# KiCad board NODE_DATAPAC_256K_historical.kicad_pcb
title: NODE DATAPAC 256K REPLICA; date: 2023-08-23; company: Brian K. White b.kenyon.w@gmail.com; note: github.com/bkw777/NODE_DATAPAC
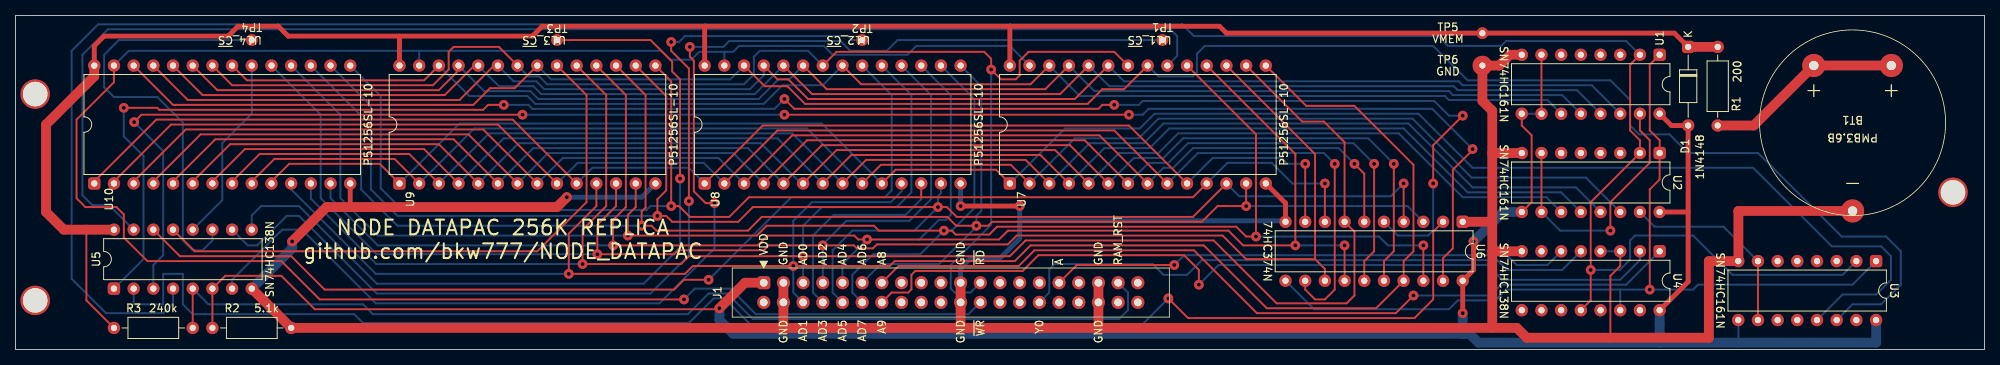
[diagram p0: board, top side]
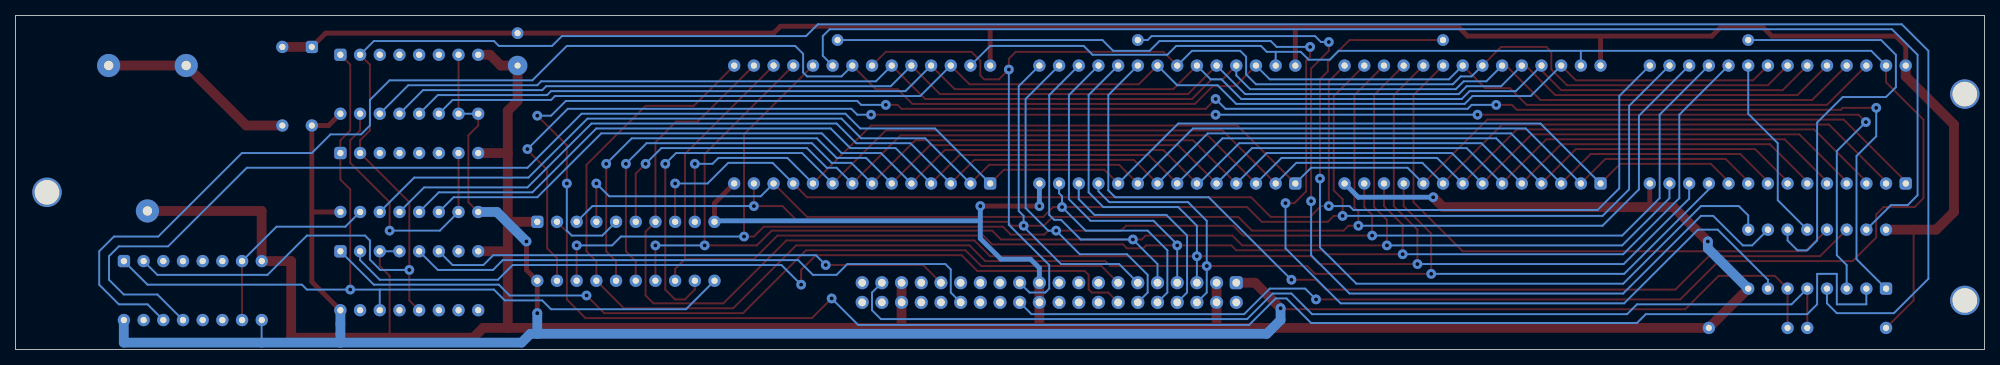
[diagram p1: board, bottom side, seen from below]

Outline 254 x 43.18 mm; copper layers: Top, Bottom. Coordinates in mm from the lower left corner of the outline.
Outline path: rectangle 0,43.18 254,0
Stack: Top 0.035mm / dielectric 1.51mm FR4 er 4.5 / Bottom 0.035mm

## Placement (name value [footprint] x y rotation side)
BT1  -  [PMB3.6B]  236.98 27.31 180 top
D1  1N4148  [D_DO-35_SOD27_P10.16mm_Horizontal]  215.77 39.12 270 top
J1  Conn_02x20_Odd_Even  [IDC_to_board_2x20_flipped]  120.65 7.37 90 top
MH1  -  [PTH_3MM]  2.54 6.35 0 top
MH1#2  -  [PTH_3MM]  249.94 20.32 0 top
MH1#3  -  [PTH_3MM]  2.54 33.02 0 top
R1  200  [R_Axial_DIN0207_L6.3mm_D2.5mm_P10.16mm_Horizontal]  219.58 39.12 270 top
R2  5.1k  [R_Axial_DIN0207_L6.3mm_D2.5mm_P10.16mm_Horizontal]  25.4 2.79 0 top
R3  240k  [R_Axial_DIN0207_L6.3mm_D2.5mm_P10.16mm_Horizontal]  12.7 2.79 0 top
TP1  U11_~{CS}  [TP_THT_60]  147.95 40 180 top
TP2  U12_~{CS}  [TP_THT_60]  109.22 40 180 top
TP3  U13_~{CS}  [TP_THT_60]  69.85 40 180 top
TP4  U14_~{CS}  [TP_THT_60]  30.48 40 180 top
TP5  VMEM  [TP_THT_pwr#2]  189.23 40.89 0 top
TP6  GND  [TP_THT_pwr]  189.23 36.7 0 top
U1  SN74HC161N  [DIP-16_W7.62mm]  212.09 38.1 270 top
U2  SN74HC161N  [DIP-16_W7.62mm]  212.09 25.4 270 top
U3  SN74HC161N  [DIP-16_W7.62mm]  240.02 11.43 270 top
U4  SN74HC138N  [DIP-16_W7.62mm]  212.09 12.7 270 top
U5  SN74HC138N  [DIP-16_W7.62mm]  12.7 7.87 90 top
U6  74HC374N  [DIP-20_W7.62mm]  186.69 16.51 270 top
U7  P51256SL-10  [DIP-28_W15.24mm]  128.27 21.46 90 top
U8  P51256SL-10  [DIP-28_W15.24mm]  88.9 21.46 90 top
U9  P51256SL-10  [DIP-28_W15.24mm]  49.53 21.46 90 top
U10  P51256SL-10  [DIP-28_W15.24mm]  10.16 21.46 90 top

## Library data of the parts
BT1 = -: Description: Multiple-cell battery
D1 = -: Description: 50V 1A General Purpose Rectifier Diode, DO-41; Sim.Device: D; Sim.Pins: 1=K 2=A
J1 = -: Description: Generic connector, double row, 02x20, odd/even pin numbering scheme (row 1 odd numbers, row 2 even numbers), script generated (kicad-library-utils/schlib/autogen/connector/)
R1-R3 = -: Description: Resistor, small symbol
TP1-TP6 = -: Description: test point
U1-U3 = -: Description: Synchronous 4-bit programmable binary Counter
U4 U5 = -: Description: Decoder 3 to 8 active low outputs
U6 = -: Description: 8-bit Register, 3-state outputs
U7-U10 = -: Description: 32Kx8 bit Low Power CMOS Static RAM, DIP-28

## Footprints (pads in the part's own frame, mm; a bottom-side part is the same pattern mirrored in y, then rotated)
D_DO-35_SOD27_P10.16mm_Horizontal
  rrect 1.6x1.6 hole 0.8: 1(0,0)
  oval 1.6x1.6 hole 0.8: 2(10.16,0)
DIP-16_W7.62mm
  rrect 1.6x1.6 hole 0.813: 1(0,0)
  round 1.6 hole 0.813: 2(0,-2.54) 3(0,-5.08) 4(0,-7.62) 5(0,-10.16) 6(0,-12.7) 7(0,-15.24) 8(0,-17.78) 9(7.62,-17.78) 10(7.62,-15.24) 11(7.62,-12.7) 12(7.62,-10.16) 13(7.62,-7.62) 14(7.62,-5.08) 15(7.62,-2.54) 16(7.62,0)
DIP-20_W7.62mm
  rrect 1.6x1.6 hole 0.813: 1(0,0)
  round 1.6 hole 0.813: 2(0,-2.54) 3(0,-5.08) 4(0,-7.62) 5(0,-10.16) 6(0,-12.7) 7(0,-15.24) 8(0,-17.78) 9(0,-20.32) 10(0,-22.86) 11(7.62,-22.86) 12(7.62,-20.32) 13(7.62,-17.78) 14(7.62,-15.24) 15(7.62,-12.7) 16(7.62,-10.16) 17(7.62,-7.62) 18(7.62,-5.08) 19(7.62,-2.54) 20(7.62,0)
DIP-28_W15.24mm
  rrect 1.6x1.6 hole 0.813: 1(0,0)
  round 1.6 hole 0.813: 2(0,-2.54) 3(0,-5.08) 4(0,-7.62) 5(0,-10.16) 6(0,-12.7) 7(0,-15.24) 8(0,-17.78) 9(0,-20.32) 10(0,-22.86) 11(0,-25.4) 12(0,-27.94) 13(0,-30.48) 14(0,-33.02) 15(15.24,-33.02) 16(15.24,-30.48) 17(15.24,-27.94) 18(15.24,-25.4) 19(15.24,-22.86) 20(15.24,-20.32) 21(15.24,-17.78) 22(15.24,-15.24) 23(15.24,-12.7) 24(15.24,-10.16) 25(15.24,-7.62) 26(15.24,-5.08) 27(15.24,-2.54) 28(15.24,0)
IDC_to_board_2x20_flipped
  rrect 1.7x1.7 hole 1: 1(1.27,24.13)
  round 1.7 hole 1: 2(-1.27,24.13) 3(1.27,21.59) 4(-1.27,21.59) 5(1.27,19.05) 6(-1.27,19.05) 7(1.27,16.51) 8(-1.27,16.51) 9(1.27,13.97) 10(-1.27,13.97) 11(1.27,11.43) 12(-1.27,11.43) 13(1.27,8.89) 14(-1.27,8.89) 15(1.27,6.35) 16(-1.27,6.35) 17(1.27,3.81) 18(-1.27,3.81) 19(1.27,1.27) 20(-1.27,1.27) 21(1.27,-1.27) 22(-1.27,-1.27) 23(1.27,-3.81) 24(-1.27,-3.81) 25(1.27,-6.35) 26(-1.27,-6.35) 27(1.27,-8.89) 28(-1.27,-8.89) 29(1.27,-11.43) 30(-1.27,-11.43) 31(1.27,-13.97) 32(-1.27,-13.97) 33(1.27,-16.51) 34(-1.27,-16.51) 35(1.27,-19.05) 36(-1.27,-19.05) 37(1.27,-21.59) 38(-1.27,-21.59) 39(1.27,-24.13) 40(-1.27,-24.13)
PMB3.6B
  round 3 hole 1.2: 1(-5,-9.4) 1(5,-9.4) 2(0,9.4)
PTH_3MM
  round 3.81 hole 3.175: (0,0)
R_Axial_DIN0207_L6.3mm_D2.5mm_P10.16mm_Horizontal
  round 1.6 hole 0.8: 1(0,0)
  oval 1.6x1.6 hole 0.8: 2(10.16,0)
TP_THT_60
  round 1.524 hole 0.813: 1(0,0)
TP_THT_pwr
  round 2.54 hole 0.8: 1(0,0)
TP_THT_pwr#2
  round 1.524 hole 0.8: 1(0,0)

## Nets
GND: BT1.2 J1.3 J1.4 J1.21 J1.22 J1.35 J1.36 R2.2 TP6.1 U1.8 U2.8 U3.8 U4.3 U4.4 U4.8 U5.8 U6.1 U6.10 U7.14 U8.14 U9.14 U10.14
VBUS: D1.2 J1.1 R2.1 U1.7 U1.9 U1.10 U1.16 U2.9 U2.16 U3.9 U3.16 U4.16 U5.6 U6.20
/(A): J1.31 U4.6
/A0: U1.14 U7.23 U8.25 U9.23 U10.25
/A1: U1.13 U7.24 U8.24 U9.24 U10.24
/A2: U1.12 U7.25 U8.23 U9.25 U10.23
/A3: U1.11 U7.26 U8.21 U9.26 U10.21
/A4: U2.14 U7.2 U8.9 U9.2 U10.9
/A5: U2.13 U7.3 U8.8 U9.3 U10.8
/A6: U2.12 U7.4 U8.7 U9.4 U10.7
/A7: U2.11 U7.5 U8.6 U9.5 U10.6
/A8: U3.14 U7.21 U8.26 U9.21 U10.26
/A9: U3.13 U7.1 U8.10 U9.1 U10.10
/A10: U6.6 U7.8 U8.3 U9.8 U10.3
/A11: U6.16 U7.6 U8.5 U9.6 U10.5
/A12: U6.12 U7.9 U8.2 U9.9 U10.2
/A13: U6.9 U7.10 U8.1 U9.10 U10.1
/A14: U6.15 U7.7 U8.4 U9.7 U10.4
/A15: U5.1 U6.5
/A16: U5.2 U6.2
/A17: U5.3 U6.19
/AD0: J1.5 U6.7 U7.16 U8.19 U9.19 U10.12
/AD1: J1.6 U6.17 U7.15 U8.11 U9.11 U10.11
/AD2: J1.7 U6.13 U7.17 U8.18 U9.12 U10.19
/AD3: J1.8 U6.8 U7.11 U8.12 U9.15 U10.15
/AD4: J1.9 U6.14 U7.18 U8.17 U9.18 U10.13
/AD5: J1.10 U6.4 U7.12 U8.13 U9.16 U10.16
/AD6: J1.11 U6.3 U7.13 U8.15 U9.17 U10.17
/AD7: J1.12 U6.18 U7.19 U8.16 U9.13 U10.18
/BATT+: BT1.1 R1.2
/BUS_A8: J1.13 U4.1
/BUS_A9: J1.14 U4.2
/CARRY0: U1.15 U2.7 U2.10
/CARRY1: U2.15 U3.7 U3.10
/RAMRST: J1.37 R3.2 U5.5
/~{BLOCK}: U1.1 U2.1 U3.1 U4.14 U6.11
/~{BYTE}: U1.2 U2.2 U3.2 U4.12 U5.4
/~{CS0}: U5.15 U7.20
/~{CS1}: U5.14 U8.20
/~{CS2}: U5.13 U9.20
/~{CS3}: U5.12 U10.20
/~{CS4}: TP4.1 U5.11
/~{CS5}: TP2.1 U5.10
/~{CS6}: TP3.1 U5.9
/~{CS7}: TP1.1 U5.7
/~{RD}: J1.23 U7.22 U8.22 U9.22 U10.22
/~{WR}: J1.24 U7.27 U8.27 U9.27 U10.27
/~{Y0}: J1.30 U4.5
VMEM: D1.1 R1.1 R3.1 TP5.1 U5.16 U7.28 U8.28 U9.28 U10.28

Pads without a net: J1 2 15 16 17 18 19 20 25 26 27 28 29 32 33 34 38 39 40; U1 3 4 5 6; U2 3 4 5 6; U3 3 4 5 6 11 12 15; U4 7 9 10 11 13 15

## Via types
v1: diameter 1.27, hole 0.508, Top to Bottom, 60 vias

## Routing (per net, layer and track width the routed paths; a pad name or vN(x,y) marks a point on that pad's centre or on a via; arc(x,y) is an arc through that point)
GND: length 436.3
  Top w0.254: U4.3 207.01,10.8 205.74,9.52 205.74,1.52
  Top w0.635: v1(121.92,18.54) v1(129.54,18.54) ; 43.18,18.41 U10.14 ; U7.14 163.83,18.92 U6.10
  Top w1.27: v1(35.69,13.97) 40.13,18.41 69.85,18.41 v1(71.12,19.68) ; J1.3 J1.4 99.06,2.79 ; 190.5,25.4 U2.8 ; 190.5,25.4 190.5,30.86 189.23,32.13 TP6.1 191.39,36.7 192.79,38.1 U1.8 ; 190.5,25.4 190.5,2.79 ; J1.35 J1.36 139.7,2.79 ; 121.92,2.79 J1.22 J1.21 ; 121.92,2.79 99.06,2.79 ; 121.92,2.79 139.7,2.79 ; U5.8 R2.2 99.06,2.79 ; 139.7,2.79 193.67,2.79 194.94,1.52 218.44,1.52 218.44,11.43 222.23,11.43 222.25,11.44 222.25,17.91 BT1.2 ; U4.8 190.5,12.7 ; U6.1 190.5,16.51
  Bottom w0.254: U4.3 U4.4
  Bottom w0.635: 129.54,16.64 163.7,16.64 U6.10 ; U9.14 80.77,19.68 v1(71.12,19.68) ; J1.21 121.92,10.54 123.06,11.68 126.87,11.68 129.54,14.35 v1(129.54,18.54) ; v1(121.92,18.54) U8.14
  Bottom w1.27: U5.8 35.69,13.08 v1(35.69,13.97)
VBUS: length 319.7
  Top w0.254: R2.1 U5.6 27.05,9.52 34.29,9.52 38.61,5.21 90.68,5.21 v1(90.8,5.33) ; U1.10 U1.7 ; U2.9 195.58,19.05 195.58,27.69 194.31,28.96 U1.9
  Top w0.635: v1(186.69,4.7) U6.20 188.09,10.29 v1(188.09,13.97) ; U1.16 213.61,28.96 D1.2 215.77,8.76 U4.16 ; U2.16 215.77,17.78
  Top w1.27: J1.1 94.11,8.64 v1(90.8,5.33)
  Bottom w0.254: 222.23,3.81 222.25,3.8 222.25,0.89 ; U1.9 U1.10
  Bottom w1.27: U2.9 191.9,17.78 v1(188.09,13.97) ; 186.69,2.03 v1(186.69,4.7) ; 186.69,2.03 92.58,2.03 90.8,3.81 v1(90.8,5.33) ; 186.69,2.03 187.58,2.03 188.72,0.89 212.09,0.89 ; 212.09,0.89 U4.16 ; 212.09,0.89 240.03,0.89 240.03,3.8 U3.16
/(A): length 67.5
  Top w0.254: J1.31 136.91,10.92 v1(149.48,10.92)
  Bottom w0.254: v1(149.48,10.92) 150.75,12.19 192.37,12.19 193.64,10.92 197.61,10.92 U4.6
/A0: length 202.2
  Top w0.254: U7.23 136.65,32.38 102.23,32.38 99.69,34.92 98.3,34.92 U8.25 ; U10.25 22.22,32.26 57.28,32.26 61.98,36.96
  Bottom w0.254: U9.23 64.26,34.67 67.18,34.67 68.2,33.66 94.74,33.66 96.52,35.43 U8.25 ; U7.23 143,34.67 186.18,34.67 186.69,34.16 203.33,34.16 U1.14
/A1: length 195.8
  Top w0.254: U7.24 134.75,33.02 102.74,33.02 U8.24 ; U10.24 24.13,32.89 55.37,32.89 59.44,36.96
  Bottom w0.254: U7.24 141.1,34.04 185.55,34.04 186.06,33.53 201.42,33.53 U1.13 ; U9.24 62.36,34.04 66.8,34.04 67.82,33.02 95.38,33.02 U8.24
/A2: length 190.9
  Top w0.254: 56.9,36.96 56.9,35.81 54.61,33.53 26.04,33.53 U10.23 ; U7.25 132.84,33.66 104.65,33.66 U8.23
  Bottom w0.254: U7.25 139.19,33.4 184.91,33.4 185.42,32.89 199.52,32.89 U1.12 ; U9.25 60.45,33.4 66.42,33.4 67.44,32.38 95.88,32.38 98.42,34.92 99.82,34.92 U8.23
/A3: length 181.7
  Top w0.254: U7.26 130.94,34.29 109.09,34.29 U8.21 ; U9.26 52.7,34.8 29.85,34.8 U10.21
  Bottom w0.254: U9.26 58.55,32.77 66.04,32.77 67.06,31.75 96.52,31.75 98.93,34.16 104.14,34.16 U8.21 ; U1.11 197.61,32.26 184.91,32.26 184.4,32.77 137.29,32.77 U7.26
/A4: length 195.1
  Top w0.254: 51.82,21.72 48.89,24.64 33.4,24.64 30.48,21.72 ; U7.2 128.4,23.88 111.63,23.88 U8.9
  Bottom w0.254: U9.2 59.18,28.57 102.11,28.57 U8.9 ; U7.2 136.65,27.3 144.91,27.3 147.45,29.84 180.21,29.84 187.83,22.22 202.56,22.22 U2.14
/A5: length 195.1
  Top w0.254: U8.8 109.73,24.51 130.3,24.51 U7.3 ; 54.36,21.72 50.8,25.27 31.5,25.27 27.94,21.72
  Bottom w0.254: U2.13 201.29,20.95 187.96,20.95 179.7,29.21 148.08,29.21 145.54,26.67 138.56,26.67 U7.3 ; U8.8 100.2,27.94 61.09,27.94 U9.3
/A6: length 195.1
  Top w0.254: 25.4,21.72 29.59,25.91 52.7,25.91 56.9,21.72 ; U8.7 107.82,25.15 132.21,25.15 U7.4
  Bottom w0.254: U2.12 199.39,20.32 187.32,20.32 179.07,28.57 148.84,28.57 146.3,26.03 140.46,26.03 U7.4 ; U9.4 62.99,27.3 98.3,27.3 U8.7
/A7: length 194.4
  Top w0.254: 22.86,21.72 27.69,26.54 54.61,26.54 59.44,21.72 ; U7.5 134.11,25.78 105.92,25.78 U8.6
  Bottom w0.254: 101.09,21.72 96.14,26.67 64.9,26.67 U9.5 ; U7.5 142.37,25.4 147.45,25.4 149.99,27.94 178.44,27.94 186.69,19.68 197.48,19.68 U2.11
/A8: length 268.8
  Top w0.254: U7.21 143,33.66 140.21,33.66 138.3,31.75 101.85,31.75 99.57,34.04 96.65,34.04 U8.26 ; U9.21 64.39,33.78 61.21,33.78 59.05,31.62 20.32,31.62 U10.26
  Bottom w0.254: U9.21 69.09,34.92 92.2,34.92 U8.26 ; 234.93,3.81 236.97,5.84 240.66,5.84 243.21,8.38 243.21,12.7 241.3,14.6 235.59,14.6 224.79,25.4 215.77,25.4 213.36,27.81 209.42,27.81 208.28,28.96 208.28,32.26 205.74,34.8 187.32,34.8 182.88,39.24 153.42,39.24 152.4,38.23 152.4,35.81 151.89,35.31 147.45,35.31 U7.21
/A9: length 244.6
  Top w0.254: U8.10 113.54,23.24 126.49,23.24 U7.1 ; 33.02,21.72 35.31,24 46.99,24 49.28,21.72
  Bottom w0.254: U7.1 135.38,28.57 145.03,28.57 146.94,30.48 180.97,30.48 187.96,23.49 224.16,23.49 234.31,13.33 240.66,13.33 241.93,12.06 241.93,9.02 240.03,7.11 235.7,7.11 U3.13 ; U8.10 104.01,29.21 57.28,29.21 U9.1
/A10: length 181.4
  Top w0.254: U7.8 139.83,27.69 100.2,27.69 U8.3 ; U6.6 173.99,22.73 v1(172.72,24) ; 15.24,21.72 21.97,28.45 60.33,28.45 67.06,21.72
  Bottom w0.254: U8.3 90.68,24.77 70.61,24.77 U9.8 ; v1(172.72,24) 170.69,26.03 151.89,26.03 149.35,23.49 148.08,23.49 U7.8
/A11: length 189.1
  Top w0.254: 20.32,21.72 25.78,27.18 56.52,27.18 61.98,21.72 ; v1(177.8,24) 177.8,12.7 176.53,11.43 U6.16 ; U7.6 136.02,26.42 104.01,26.42 U8.5
  Bottom w0.254: U8.5 94.49,26.03 66.8,26.03 U9.6 ; U7.6 144.27,24.77 148.08,24.77 150.62,27.3 174.5,27.3 v1(177.8,24)
/A12: length 195.7
  Top w0.254: 12.7,21.72 20.07,29.08 62.23,29.08 69.6,21.72 ; v1(170.18,24) 170.18,7.75 168.91,6.48 167.64,6.48 166.37,7.75 U6.12 ; U8.2 98.3,28.32 141.73,28.32 U7.9
  Bottom w0.254: U8.2 88.77,24.13 72.52,24.13 U9.9 ; v1(170.18,24) 168.78,25.4 152.53,25.4 U7.9
/A13: length 179.7
  Top w0.254: U7.10 143.64,28.96 96.39,28.96 U8.1 ; 72.14,21.72 64.13,29.72 18.16,29.72 10.16,21.72 ; U6.9 v1(166.37,24)
  Bottom w0.254: v1(166.37,24) 164.08,24 163.32,24.77 154.43,24.77 U7.10 ; U8.1 86.87,23.49 74.42,23.49 U9.10
/A14: length 189.1
  Top w0.254: 64.52,21.72 58.42,27.81 23.88,27.81 17.78,21.72 ; U7.7 137.92,27.05 102.11,27.05 U8.4 ; v1(175.26,24) 175.26,12.7 173.99,11.43 U6.15
  Bottom w0.254: v1(175.26,24) 172.59,26.67 151.26,26.67 148.72,24.13 146.18,24.13 U7.7 ; U8.4 92.58,25.4 68.71,25.4 U9.7
/A15: length 225.3
  Top w0.254: v1(13.97,31.24) 18.29,31.24 18.54,30.99 60.33,30.99 60.96,31.62 v1(62.99,31.62) ; v1(186.69,30.23) 182.88,26.42 v1(182.88,21.46) ; v1(141.73,31.62) 140.21,31.62 139.7,31.11 100.46,31.11 v1(99.19,32.38)
  Bottom w0.254: U5.1 16.51,11.68 16.51,25.02 13.97,27.56 v1(13.97,31.24) ; U6.5 178.31,14.73 182.25,14.73 182.88,15.37 v1(182.88,21.46) ; v1(62.99,31.62) 66.17,31.62 66.67,31.11 97.92,31.11 v1(99.19,32.38) ; v1(186.69,30.23) 184.91,30.23 183.01,32.13 145.41,32.13 144.91,31.62 v1(141.73,31.62)
/A16: length 195.3
  Top w0.254: v1(148.72,6.6) 151.26,4.06 180.47,4.06 182.88,6.48 182.88,15.24 U6.2
  Bottom w0.254: v1(148.72,6.6) 145.29,3.17 94.87,3.17 91.44,6.6 90.04,6.6 86.87,3.43 44.83,3.43 43.69,4.57 22.86,4.57 21.59,5.84 21.59,9.78 19.05,9.78 19.05,5.84 15.24,5.84 U5.2
/A17: length 217.7
  Top w0.254: v1(187.96,25.91) 187.96,25.78 185.42,23.24 185.42,13.08 184.15,11.81 U6.19 ; v1(65.41,30.35) 16.26,30.35 v1(15.3,29.4) ; v1(143.64,30.35) v1(99.19,30.35)
  Bottom w0.254: v1(15.3,29.4) 19.05,25.65 19.05,12.19 17.78,10.92 U5.3 ; v1(187.96,25.91) 182.75,31.11 146.18,31.11 145.41,30.35 v1(143.64,30.35) ; v1(99.19,30.35) v1(65.41,30.35)
/AD0: length 251.9
  Top w0.254: U7.16 165.99,29.46 168.78,29.46 171.45,26.8 U6.7 172.72,15.24 172.72,6.98 171.7,5.97 162.69,5.97 154.56,14.1 130.3,14.1 128.27,12.06 v1(101.6,12.06) 86.87,12.06 85.85,11.05 v1(73.15,11.05) 73.15,15.49 76.2,18.54 76.2,32.89 U9.19
  Bottom w0.254: U10.12 38.1,19.49 46.55,11.05 v1(73.15,11.05) ; U8.19 115.57,32.89 115.57,20.32 113.66,18.41 104.01,18.41 101.6,16 v1(101.6,12.06) J1.5
/AD1: length 235.8
  Top w0.254: U9.11 74.93,18.54 71.37,14.99 v1(71.37,9.78) 86.36,9.78 87.38,10.8 v1(100.33,10.8) 112.78,10.8 113.41,11.43 128.91,11.43 130.94,13.46 153.29,13.46 161.42,5.33 175.51,5.33 U6.17 179.07,11.43 180.34,12.7 180.34,23.88 172.72,31.5 166.5,31.5 U7.15
  Bottom w0.254: U8.11 114.3,20.45 112.9,19.05 102.74,19.05 100.33,16.64 v1(100.33,10.8) 100.33,7.37 J1.6 ; v1(71.37,9.78) 46.48,9.78 35.56,20.7 U10.11
/AD2: length 237
  Top w0.254: U6.13 168.91,10.41 167.64,11.68 ; 167.64,11.68 158.75,11.68 155.7,14.73 129.16,14.73 128.02,13.59 111.12,13.59 110.62,13.08 108.52,13.08 108.14,13.46 v1(104.14,13.46) 97.16,13.46 96.52,12.83 85.47,12.83 84.96,12.32 v1(75.06,12.32) 75.06,16.13 77.47,18.54 U9.12 ; 167.64,11.68 167.64,25.27 U7.17
  Bottom w0.254: U10.19 39.37,30.35 39.37,19.56 46.61,12.32 v1(75.06,12.32) ; J1.7 v1(104.14,13.46) 104.14,13.59 107.19,16.64 115.32,16.64 118.11,19.43 118.11,32.89 U8.18
/AD3: length 198.4
  Top w0.254: 116.84,19.68 U8.12 ; 116.84,19.68 151.89,19.68 U7.11 ; 116.84,19.68 94.61,19.68 92.08,17.14 86.99,17.14 85.6,18.54 v1(84.58,18.54) 84.58,34.67 82.3,36.96 ; U6.8 v1(168.91,21.46)
  Bottom w0.254: U7.11 156.34,24.13 162.05,24.13 164.72,21.46 v1(168.91,21.46) ; U8.12 116.84,19.43 114.81,17.4 105.54,17.4 102.87,14.73 102.87,7.37 J1.8 ; v1(84.58,18.54) 81.91,18.54 81.41,18.03 49.91,18.03 47.12,20.83 47.12,32.77 U10.15
/AD4: length 235.4
  Top w0.254: U9.18 78.74,32.89 78.74,18.41 77.09,16.76 v1(77.09,13.46) 95.76,13.46 97.03,14.73 108.2,14.73 108.71,14.22 v1(109.85,14.22) 126.87,14.22 128.02,15.37 156.46,15.37 158.37,13.46 v1(165.1,13.46) 165.1,25.27 U7.18 ; v1(171.45,13.46) U6.14
  Bottom w0.254: v1(165.1,13.46) v1(171.45,13.46) ; U8.17 120.65,32.89 120.65,17.4 120.01,16.76 119.13,16.76 116.59,14.22 v1(109.85,14.22) 106.68,11.05 J1.9 ; 40.64,21.72 40.64,19.56 46.74,13.46 v1(77.09,13.46)
/AD5: length 210.4
  Top w0.254: U7.12 151.89,17.14 121.41,17.14 120.14,18.41 v1(119,18.41) 95.12,18.41 93.22,16.51 84.71,16.51 83.95,17.27 v1(82.8,17.27) 82.8,19.43 83.95,20.57 83.95,32.77 U9.16 ; U6.4 v1(179.07,21.46)
  Bottom w0.254: v1(179.07,21.46) 177.42,19.81 157.86,19.81 U7.12 ; U10.16 45.85,31.5 45.85,20.7 49.28,17.27 v1(82.8,17.27) ; U8.13 119.38,20.19 119,19.81 v1(119,18.41) 115.95,15.37 107.95,15.37 105.41,12.83 105.41,7.37 J1.10
/AD6: length 226.4
  Top w0.254: U7.13 v1(158.75,18.54) 155.07,18.54 153.03,16.51 125.98,16.51 125.48,16 v1(123.95,16) 121.35,16 120.21,17.14 96.27,17.14 94.49,15.37 82.68,15.37 82.04,16 v1(80.77,16) 80.77,17.84 81.28,18.35 81.28,32.89 U9.17
  Bottom w0.254: J1.11 111.63,11.05 119.13,11.05 123.95,15.88 v1(123.95,16) 123.95,17.27 124.59,17.91 124.59,34.04 U8.15 ; v1(80.77,16) 49.28,16 44.58,20.7 44.58,30.23 U10.17 ; v1(158.75,18.54) 179.58,18.54 U6.3
/AD7: length 245
  Top w0.254: U9.13 80.01,18.41 78.99,17.4 v1(78.99,14.73) 95.63,14.73 96.9,16 110.74,16 111.38,15.37 v1(119.76,15.37) 120.78,15.37 121.28,14.86 125.6,14.86 126.62,15.88 157.48,15.88 158.75,14.6 v1(160.02,14.6) 160.02,27.81 U7.19 ; v1(181.61,13.46) U6.18
  Bottom w0.254: v1(160.02,14.6) 175.9,14.6 177.04,13.46 v1(181.61,13.46) ; U8.16 123.7,32.38 123.7,18.29 120.78,15.37 v1(119.76,15.37) 116.71,12.32 110.62,12.32 107.95,9.65 107.95,7.37 J1.12 ; U10.18 41.91,30.35 41.91,19.56 46.74,14.73 v1(78.99,14.73)
/BATT+: length 25.6
  Top w1.27: R1.2 224.23,28.96 BT1.1 BT1.1
/BUS_A8: length 108.7
  Top w0.254: J1.13 113.92,10.8 129.41,10.8 131.44,12.83 152.02,12.83 160.15,4.7 178.05,4.7 v1(180.34,6.98)
  Bottom w0.254: U4.1 207.77,8.38 191.64,8.38 190.25,6.98 v1(180.34,6.98)
/BUS_A9: length 108.1
  Top w0.254: v1(152.65,8.38) 152.65,10.29 150.75,12.19 131.95,12.19 129.92,10.16 116.08,10.16 115.57,9.65 115.57,7.78 115.16,7.37 113.03,7.37 J1.14
  Bottom w0.254: v1(152.65,8.38) 155.19,10.92 189.87,10.92 191.77,9.02 207.01,9.02 209.55,11.56 U4.2
/CARRY0: length 35.3
  Top w0.254: v1(205.74,15.37) 205.74,19.05 210.82,24.13 210.82,27.05 209.55,28.32 U1.15 ; U2.10 U2.7
  Bottom w0.254: v1(205.74,15.37) 199.26,15.37 U2.10
/CARRY1: length 25.5
  Top w0.254: U3.10 U3.7
  Bottom w0.254: U2.15 211.45,15.88 220.33,15.88 U3.7
/RAMRST: length 134.1
  Top w0.254: R3.2 U5.5
  Bottom w0.254: U5.5 24.89,5.84 44.83,5.84 46.1,4.57 86.74,4.57 89.41,7.24 91.82,7.24 95.12,3.94 142.37,3.94 143.51,5.08 143.51,7.37 J1.37
/~{BLOCK}: length 114.9
  Top w0.254: v1(210.82,7.75) 210.82,20.7 212.09,21.97 U2.1 212.09,27.05 210.82,28.32 210.82,36.83 U1.1
  Bottom w0.254: 207.01,7.75 192.28,7.75 190.88,6.35 186.06,6.35 184.91,5.21 167.51,5.21 U6.11 ; 207.01,7.75 v1(210.82,7.75) 216.41,7.75 217.04,8.38 236.97,8.38 U3.1 ; 207.01,7.75 U4.14
/~{BYTE}: length 330.3
  Top w0.254: U4.12 203.2,6.35 v1(203.2,10.29) 203.2,19.05 U2.2 209.55,27.05 208.28,28.32 208.28,36.83 U1.2
  Bottom w0.254: U5.4 20.32,5.97 19.05,4.7 11.68,4.7 7.24,9.14 7.24,38.61 10.67,42.04 150.5,42.04 152.02,40.51 183.51,40.51 184.78,39.24 191.64,39.24 192.28,39.88 207.77,39.88 U1.2 ; U3.2 235.7,9.65 221.49,9.65 216.41,14.73 208.91,14.73 208.28,14.1 208.28,11.62 206.95,10.29 v1(203.2,10.29)
/~{CS0}: length 173.9
  Bottom w0.254: U7.20 149.86,37.97 149.86,40.51 148.97,41.4 11.94,41.4 8.64,38.1 8.64,19.94 9.91,18.67 12.07,18.67 U5.15
/~{CS1}: length 121.5
  Top w0.254: U5.14 21.21,12.06 35.56,12.06 39.88,7.75 84.96,7.75 86.23,9.02 v1(89.41,9.02)
  Bottom w0.254: U8.20 113.03,32.89 113.03,20.57 112.14,19.68 100.08,19.68 v1(89.41,9.02)
/~{CS2}: length 76.4
  Top w0.254: U9.20 73.66,32.89 73.66,19.05 67.31,12.7 23.11,12.7 U5.13
/~{CS3}: length 24.4
  Bottom w0.254: U10.20 30.48,30.48 26.67,26.67 26.67,19.3 U5.12
/~{CS4}: length 57.6
  Bottom w0.254: TP4.1 13.33,40 11.43,38.1 11.43,33.91 12.7,32.64 18.29,32.64 21.59,29.34 21.59,14.1 22.86,12.83 24.13,12.83 25.4,14.1 U5.11
/~{CS5}: length 121.2
  Top w0.254: v1(84.58,39.75) 84.58,38.61 86.87,36.32 v1(86.87,19.18)
  Bottom w0.254: TP2.1 107.95,40 107.44,40.51 86.36,40.51 85.6,39.75 v1(84.58,39.75) ; v1(86.87,19.18) 86.87,12.19 81.91,7.24 46.61,7.24 36.58,17.27 34.99,17.27 31.18,13.46 29.97,13.46 U5.10
/~{CS6}: length 104.1
  Top w0.254: v1(85.72,22.1) 85.72,34.92 84.71,35.94 84.71,37.21 81.91,40 TP3.1
  Bottom w0.254: v1(85.72,22.1) 85.72,13.21 81.03,8.51 46.61,8.51 36.58,18.54 31.69,18.54 30.48,17.34 U5.9
/~{CS7}: length 163.3
  Top w0.254: v1(90.17,18.92) 89.03,18.92 87.5,20.45 87.5,37.34 86.99,37.85 v1(86.99,39.12)
  Bottom w0.254: U5.7 27.94,9.02 34.42,15.49 36.96,15.49 46.48,5.97 83.06,5.97 90.17,13.08 v1(90.17,18.92) ; TP1.1 113.79,40 112.4,38.61 107.7,38.61 106.43,39.88 92.08,39.88 91.31,39.12 v1(86.99,39.12)
/~{RD}: length 169.5
  Top w0.254: 64.52,36.96 62.36,39.12 56.52,39.12 55.88,38.48 55.88,36.19 53.85,34.16 27.94,34.16 U10.22 ; U7.22 141.73,38.48 130.68,38.48 129.54,37.34 129.54,35.43 129.03,34.92 127.13,34.92 v1(125.86,36.19) 125.86,37.59 124.97,38.48 105.92,38.48 U8.22
  Bottom w0.254: J1.23 123.19,7.37 121.16,7.37 120.65,7.87 120.65,10.92 125.86,16.13 v1(125.86,36.19) ; U9.22 66.17,35.31 67.56,35.31 68.58,34.29 93.98,34.29 95.25,35.56 95.25,37.85 96.01,38.61 102.23,38.61 U8.22
/~{WR}: length 271.3
  Top w0.254: v1(86.23,6.48) 39.24,6.48 34.29,11.43 17.02,11.43 13.97,14.48 13.97,17.46 13.02,18.41 9.02,18.41 7.87,19.56 7.87,29.72 12.7,34.54 U10.27
  Bottom w0.254: 52.07,38.61 14.61,38.61 U10.27 ; 52.07,38.61 U9.27 ; 52.07,38.61 83.31,38.61 84.45,37.46 87.19,37.46 88.2,38.48 91.44,38.48 ; 91.44,38.48 U8.27 ; 91.44,38.48 92.58,38.48 93.34,39.24 104.27,39.24 105.41,38.1 115.06,38.1 116.2,39.24 128.27,39.24 U7.27 ; v1(86.23,6.48) 87.63,7.87 92.2,7.87 95.5,4.57 122.94,4.57 J1.24
/~{Y0}: length 76.5
  Bottom w0.254: J1.30 133.35,7.37 133.35,10.35 134.05,11.05 146.69,11.05 148.08,9.65 151.13,9.65 153.03,11.56 191.13,11.56 192.41,10.29 199.52,10.29 U4.5
VMEM: length 274.5
  Top w0.254: R3.1 9.14,6.35 9.14,15.49
  Top w0.635: U7.28 128.27,41.78 ; 88.9,41.78 67.94,41.78 66.67,40.51 35.18,40.51 33.91,41.78 28.7,41.78 27.43,40.51 11.43,40.51 10.16,39.24 U10.28 ; 88.9,41.78 155.32,41.78 156.21,40.89 214,40.89 D1.1 ; 88.9,41.78 U8.28 ; 49.53,40.51 U9.28
  Top w1.27: D1.1 R1.1 ; U10.28 10.16,35.31 3.94,29.08 3.94,17.78 6.22,15.49 U5.16

## Text on the board
F.Silkscreen: VDD | GND | AD0 | AD2 | AD4 | AD6 | A8 | ~{RD} | ~{A} | RAM_RST | AD1 | AD3 | AD5 | AD7 | A9 | ~{WR} | Y0 | ${TITLE} / ${COMMENT1}
